# KiCad board SidecarXE85-keyboard.kicad_pcb
title: Sidecar XE85 Keyboard; date: 2023-04-23; rev: Rev. 2; company: Decent Consulting
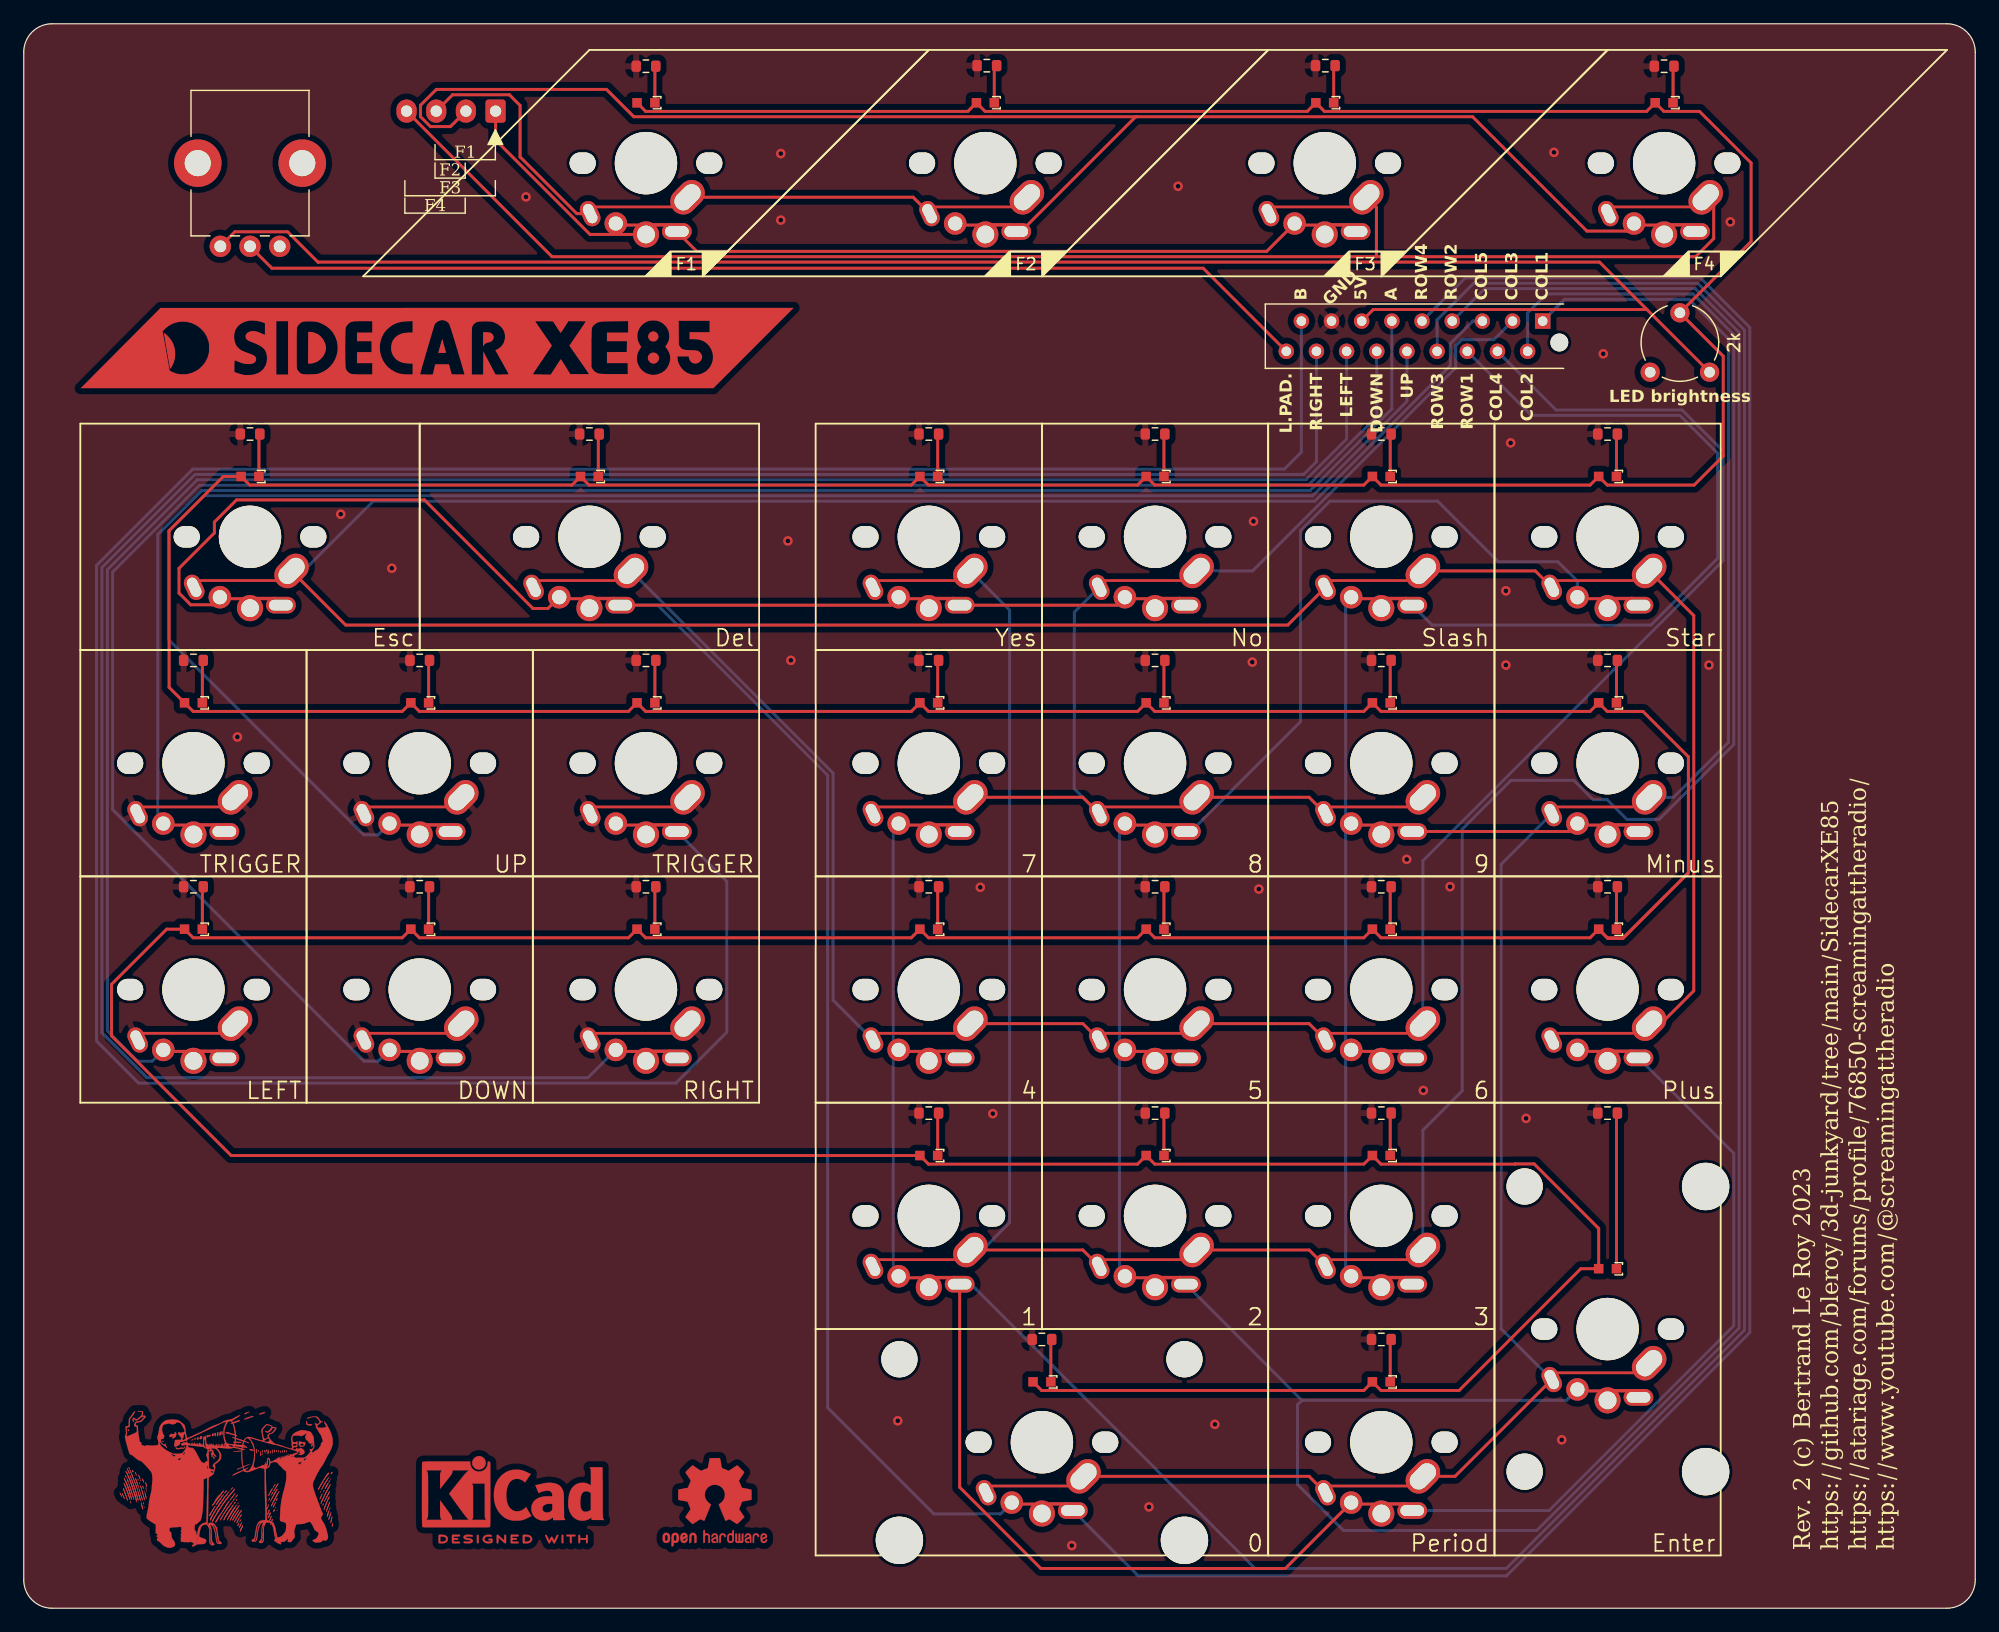
[diagram p0: board, top side]
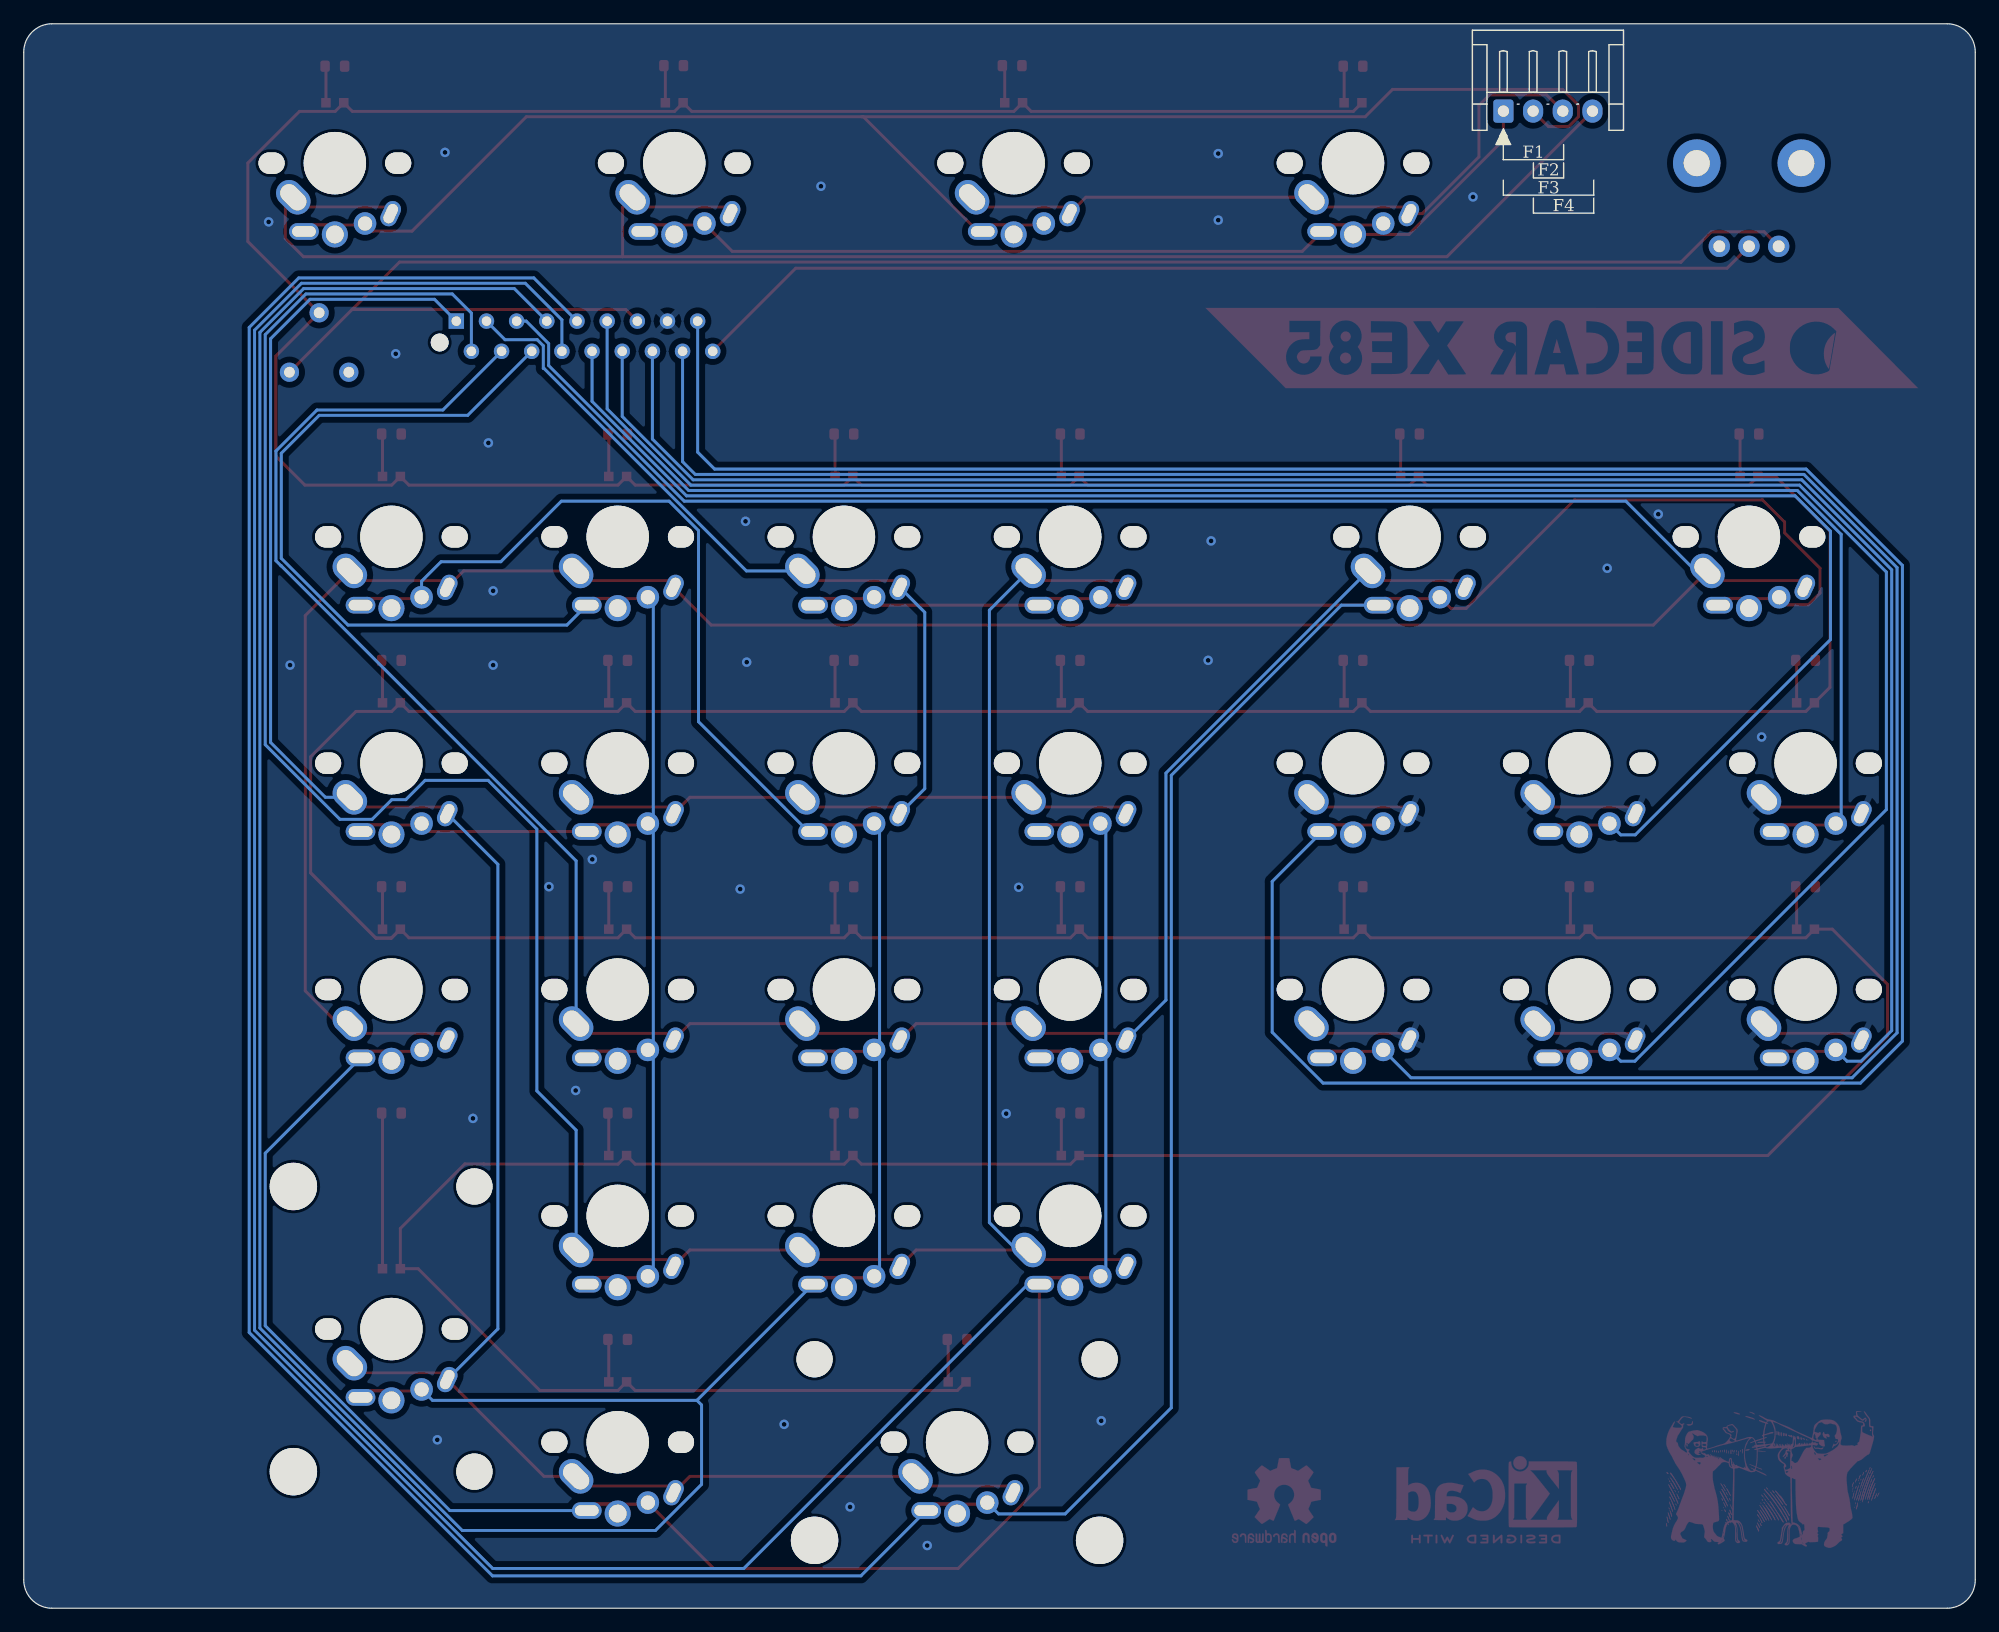
[diagram p1: board, bottom side, seen from below]

Outline 164.31 x 133.35 mm; copper layers: Top, Bottom. Coordinates in mm from the lower left corner of the outline.
Outline path: 0,130.97 arc(0.7,132.65) 2.38,133.35 161.93,133.35 arc(163.61,132.65) 164.31,130.97 164.31,2.38 arc(163.61,0.7) 161.93,0 2.38,0 arc(0.7,0.7) 0,2.38 0,130.97

## Placement (name value [footprint] x y rotation side)
G***  LOGO  [ScreamingAtTheRadio]  17.19 11.93 0 top
G***#2  -  [LOGO]  34.79 106.08 0 top
J2  Conn_02x09_Odd_Even  [TE_Micro-MaTch_1-215079-8_2x09_P1.27mm_Vertical]  127.89 108.33 270 top
J3  Conn_01x04  [JST_EH_S4B-EH_1x04_P2.50mm_Horizontal]  39.73 126 180 bottom
R1  100  [R_0603_1608Metric]  133.35 79.77 180 top
R2  100  [R_0603_1608Metric]  133.35 41.67 180 top
R3  100  [R_0603_1608Metric]  114.3 22.62 180 top
R4  100  [R_0603_1608Metric]  85.72 22.62 180 top
R5  100  [R_0603_1608Metric]  52.39 129.78 180 top
R6  100  [R_0603_1608Metric]  81.09 129.83 180 top
R7  100  [R_0603_1608Metric]  14.29 79.77 180 top
R8  100  [R_0603_1608Metric]  114.3 41.67 180 top
R9  100  [R_0603_1608Metric]  95.25 41.67 180 top
R10  100  [R_0603_1608Metric]  76.2 41.67 180 top
R11  100  [R_0603_1608Metric]  76.2 98.82 180 top
R12  100  [R_0603_1608Metric]  109.59 129.83 180 top
R13  100  [R_0603_1608Metric]  138.11 129.78 180 top
R14  100  [R_0603_1608Metric]  14.29 60.72 180 top
R15  100  [R_0603_1608Metric]  114.3 79.77 180 top
R16  100  [R_0603_1608Metric]  95.25 79.77 180 top
R17  100  [R_0603_1608Metric]  76.2 79.77 180 top
R18  100  [R_0603_1608Metric]  95.25 98.82 180 top
R19  100  [R_0603_1608Metric]  33.34 79.77 180 top
R20  100  [R_0603_1608Metric]  33.34 60.72 180 top
R21  100  [R_0603_1608Metric]  114.3 60.72 180 top
R22  100  [R_0603_1608Metric]  95.25 60.72 180 top
R23  100  [R_0603_1608Metric]  76.2 60.72 180 top
R24  100  [R_0603_1608Metric]  47.62 98.82 180 top
R25  100  [R_0603_1608Metric]  52.39 60.72 180 top
R26  100  [R_0603_1608Metric]  114.3 98.82 180 top
R27  100  [R_0603_1608Metric]  133.35 98.82 180 top
R28  100  [R_0603_1608Metric]  133.35 60.72 180 top
R29  100  [R_0603_1608Metric]  19.05 98.82 180 top
R30  100  [R_0603_1608Metric]  52.39 79.77 180 top
REF**  -  [KiCad-Logo2_6mm_Copper]  41.19 9.83 0 top
REF**#2  -  [OSHW-Logo2_9.8x8mm_Copper]  58.19 8.93 0 top
RV1  2k  [Potentiometer_Piher_PT-6-V_Vertical]  141.94 104.03 90 top
RV2  1M  [Potentiometer_Bourns_PTV09A-1_Single_Vertical]  21.55 114.62 90 top
SW1  Minus  [MX-1-00U-LED]  133.35 76.2 0 top
SW2  Enter  [MX-2-00U-VERT-LED]  133.35 28.58 0 top
SW3  Period  [MX-1-00U-LED]  114.3 19.05 0 top
SW4  0  [MX-2-00U-LED]  85.72 19.05 0 top
SW5  F1  [MX-1-50U-Atari-Fn-LED]  52.39 126.7 0 top
SW6  F3  [MX-1-50U-Atari-Fn-LED]  109.54 126.7 0 top
SW7  TRIGGER  [MX-1-00U-LED]  14.29 76.2 0 top
SW8  3  [MX-1-00U-LED]  114.3 38.1 0 top
SW9  2  [MX-1-00U-LED]  95.25 38.1 0 top
SW10  1  [MX-1-00U-LED]  76.2 38.1 0 top
SW11  Yes  [MX-1-00U-LED]  76.2 95.25 0 top
SW12  F2  [MX-1-50U-Atari-Fn-LED]  80.96 126.7 0 top
SW13  F4  [MX-1-50U-Atari-Fn-LED]  138.11 126.7 0 top
SW14  LEFT  [MX-1-00U-LED]  14.29 57.15 0 top
SW15  9  [MX-1-00U-LED]  114.3 76.2 0 top
SW16  8  [MX-1-00U-LED]  95.25 76.2 0 top
SW17  7  [MX-1-00U-LED]  76.2 76.2 0 top
SW18  No  [MX-1-00U-LED]  95.25 95.25 0 top
SW19  UP  [MX-1-00U-LED]  33.34 76.2 0 top
SW20  DOWN  [MX-1-00U-LED]  33.34 57.15 0 top
SW21  6  [MX-1-00U-LED]  114.3 57.15 0 top
SW22  5  [MX-1-00U-LED]  95.25 57.15 0 top
SW23  4  [MX-1-00U-LED]  76.2 57.15 0 top
SW24  Del  [MX-1-50U-LED]  47.62 95.25 0 top
SW25  RIGHT  [MX-1-00U-LED]  52.39 57.15 0 top
SW26  Slash  [MX-1-00U-LED]  114.3 95.25 0 top
SW27  Star  [MX-1-00U-LED]  133.35 95.25 0 top
SW28  Plus  [MX-1-00U-LED]  133.35 57.15 0 top
SW29  Esc  [MX-1-50U-LED]  19.05 95.25 0 top
SW30  TRIGGER  [MX-1-00U-LED]  52.39 76.2 0 top

## Library data of the parts
J2 = -: Description: Generic connector, double row, 02x09, odd/even pin numbering scheme (row 1 odd numbers, row 2 even numbers), script generated (kicad-library-utils/schlib/autogen/connector/)
J3 = -: Description: Generic connector, single row, 01x04, script generated (kicad-library-utils/schlib/autogen/connector/)
R1-R30 = -: Description: Resistor
RV1 RV2 = -: Description: Potentiometer
SW1-SW30 = -: Description: Single Pole Single Throw (SPST) switch with LED, generic

## Footprints (pads in the part's own frame, mm; a bottom-side part is the same pattern mirrored in y, then rotated)
JST_EH_S4B-EH_1x04_P2.50mm_Horizontal
  rrect 1.7x1.95 hole 0.95: 1(0,0)
  oval 1.7x1.95 hole 0.95: 2(2.5,0) 3(5,0) 4(7.5,0)
MX-1-00U-LED
  oval 2.2x1.8 hole 2.2x1.8 unplated: (-5.33,-5.08) (5.33,-5.08)
  round 5.25 hole 5.25 unplated: (0,-5.08)
  oval 1.4x2.2 hole 0.9x1.7 rot 25: 1(-4.7,-9.33)
  rect 6.833x0.229 smd: 1(-1.219,-8.763)
  oval 3.2x2.2 hole 2.5x1.5 rot 45: 1(3.5,-7.95)
  round 1.9 hole 1.2: 2(-2.54,-10.16)
  rect 1.312x0.254 smd: 2(-1.27,-10.287)
  round 2.2 hole 1.5: 2(0,-11.08)
  rect 1.758x0.284 smd: 2(1.26,-10.272)
  oval 2.5x1.4 hole 2x0.9: 2(2.6,-10.83)
  rect 0.8x0.8 smd: 3(0.75,0) 4(-0.75,0)
MX-1-50U-Atari-Fn-LED
  oval 2.2x1.8 hole 2.2x1.8 unplated: (-5.33,-5.08) (5.33,-5.08)
  round 5.25 hole 5.25 unplated: (0,-5.08)
  oval 1.4x2.2 hole 0.9x1.7 rot 25: 1(-4.7,-9.33)
  rect 6.833x0.229 smd: 1(-1.219,-8.763)
  oval 3.2x2.2 hole 2.5x1.5 rot 45: 1(3.5,-7.95)
  round 1.9 hole 1.2: 2(-2.54,-10.16)
  rect 1.312x0.254 smd: 2(-1.27,-10.287)
  round 2.2 hole 1.5: 2(0,-11.08)
  rect 1.758x0.284 smd: 2(1.26,-10.272)
  oval 2.5x1.4 hole 2x0.9: 2(2.6,-10.83)
  rect 0.8x0.8 smd: 3(0.75,0) 4(-0.75,0)
MX-1-50U-LED
  oval 2.2x1.8 hole 2.2x1.8 unplated: (-5.33,-5.08) (5.33,-5.08)
  round 5.25 hole 5.25 unplated: (0,-5.08)
  oval 1.4x2.2 hole 0.9x1.7 rot 25: 1(-4.7,-9.33)
  rect 6.833x0.229 smd: 1(-1.219,-8.763)
  oval 3.2x2.2 hole 2.5x1.5 rot 45: 1(3.5,-7.95)
  round 1.9 hole 1.2: 2(-2.54,-10.16)
  rect 1.312x0.254 smd: 2(-1.27,-10.287)
  round 2.2 hole 1.5: 2(0,-11.08)
  rect 1.758x0.284 smd: 2(1.26,-10.272)
  oval 2.5x1.4 hole 2x0.9: 2(2.6,-10.83)
  rect 0.8x0.8 smd: 3(0.75,0) 4(-0.75,0)
MX-2-00U-LED
  round 3.048 hole 3.048 unplated: (-12,1.905) (12,1.905)
  round 3.988 hole 3.988 unplated: (-12,-13.335) (12,-13.335)
  oval 2.2x1.8 hole 2.2x1.8 unplated: (-5.33,-5.08) (5.33,-5.08)
  round 5.25 hole 5.25 unplated: (0,-5.08)
  oval 1.4x2.2 hole 0.9x1.7 rot 25: 1(-4.7,-9.33)
  rect 6.833x0.229 smd: 1(-1.219,-8.763)
  oval 3.2x2.2 hole 2.5x1.5 rot 45: 1(3.5,-7.95)
  round 1.9 hole 1.2: 2(-2.54,-10.16)
  rect 1.312x0.254 smd: 2(-1.27,-10.287)
  round 2.2 hole 1.5: 2(0,-11.08)
  rect 1.758x0.284 smd: 2(1.26,-10.272)
  oval 2.5x1.4 hole 2x0.9: 2(2.6,-10.83)
  rect 0.8x0.8 smd: 3(0.75,0) 4(-0.75,0)
MX-2-00U-VERT-LED
  round 3.048 hole 3.048 unplated: (-6.985,6.92) (-6.985,-17.08)
  oval 2.2x1.8 hole 2.2x1.8 unplated: (-5.33,-5.08) (5.33,-5.08)
  round 5.25 hole 5.25 unplated: (0,-5.08)
  round 3.988 hole 3.988 unplated: (8.255,6.92) (8.255,-17.08)
  oval 1.4x2.2 hole 0.9x1.7 rot 25: 1(-4.7,-9.33)
  rect 6.833x0.229 smd: 1(-1.219,-8.763)
  oval 3.2x2.2 hole 2.5x1.5 rot 45: 1(3.5,-7.95)
  round 1.9 hole 1.2: 2(-2.54,-10.16)
  rect 1.312x0.254 smd: 2(-1.27,-10.287)
  round 2.2 hole 1.5: 2(0,-11.08)
  rect 1.758x0.284 smd: 2(1.26,-10.272)
  oval 2.5x1.4 hole 2x0.9: 2(2.6,-10.83)
  rect 0.8x0.8 smd: 3(0.75,0) 4(-0.75,0)
Potentiometer_Bourns_PTV09A-1_Single_Vertical
  round 4 hole 2.2 unplated: (7,6.9) (7,-1.9)
  round 1.8 hole 1: 1(0,0) 2(0,2.5) 3(0,5)
Potentiometer_Piher_PT-6-V_Vertical
  round 1.62 hole 0.9: 1(0,0) 2(5,2.5) 3(0,5)
R_0603_1608Metric
  rrect 0.8x0.95 smd: 1(-0.825,0) 2(0.825,0)
TE_Micro-MaTch_1-215079-8_2x09_P1.27mm_Vertical
  round 1.5 hole 1.5 unplated: (1.8,1.4)
  rect 1.3x1.3 hole 0.8: 1(0,0)
  round 1.3 hole 0.8: 2(2.54,-1.27) 3(0,-2.54) 4(2.54,-3.81) 5(0,-5.08) 6(2.54,-6.35) 7(0,-7.62) 8(2.54,-8.89) 9(0,-10.16) 10(2.54,-11.43) 11(0,-12.7) 12(2.54,-13.97) 13(0,-15.24) 14(2.54,-16.51) 15(0,-17.78) 16(2.54,-19.05) 17(0,-20.32) 18(2.54,-21.59)

## Nets
5V: J2.13 RV1.1 RV2.3
GND: J2.15 R1.2 R2.2 R3.2 R4.2 R5.2 R6.2 R7.2 R8.2 R9.2 R10.2 R11.2 R12.2 R13.2 R14.2 R15.2 R16.2 R17.2 R18.2 R19.2 R20.2 R21.2 R22.2 R23.2 R24.2 R25.2 R26.2 R27.2 R28.2 R29.2 R30.2 SW7.1 SW14.1 SW19.1 SW20.1 SW25.1 SW30.1
COL1: J2.1 SW1.1 SW2.1 SW3.1 SW4.1
COL2: J2.2 SW8.1 SW9.1 SW10.1 SW11.1
COL3: J2.3 SW15.1 SW16.1 SW17.1 SW18.1
COL4: J2.4 SW21.1 SW22.1 SW23.1 SW24.1
COL5: J2.5 SW26.1 SW27.1 SW28.1 SW29.1
DOWN: J2.12 SW20.2
F_COL1: J3.3 SW5.1 SW12.1
F_COL2: J3.4 SW6.1 SW13.1
F_ROW1: J3.1 SW5.2 SW6.2
F_ROW2: J3.2 SW12.2 SW13.2
L_PAD: J2.18 RV2.2
LEFT: J2.14 SW14.2
RIGHT: J2.16 SW25.2
ROW1: J2.6 SW1.2 SW8.2 SW15.2 SW21.2 SW26.2
ROW2: J2.7 SW2.2 SW9.2 SW16.2 SW22.2 SW27.2
ROW3: J2.8 SW3.2 SW10.2 SW17.2 SW23.2 SW28.2
ROW4: J2.9 SW4.2 SW11.2 SW18.2 SW24.2 SW29.2
TRIGGER_A: J2.11 SW7.2
TRIGGER_B: J2.17 SW30.2
UP: J2.10 SW19.2
VA: RV1.2 SW1.4 SW2.4 SW3.4 SW4.4 SW5.4 SW6.4 SW7.4 SW8.4 SW9.4 SW10.4 SW11.4 SW12.4 SW13.4 SW14.4 SW15.4 SW16.4 SW17.4 SW18.4 SW19.4 SW20.4 SW21.4 SW22.4 SW23.4 SW24.4 SW25.4 SW26.4 SW27.4 SW28.4 SW29.4 SW30.4
Net-(SW1-K): R1.1 SW1.3
Net-(SW2-K): R2.1 SW2.3
Net-(SW3-K): R3.1 SW3.3
Net-(SW4-K): R4.1 SW4.3
Net-(SW5-K): R5.1 SW5.3
Net-(SW6-K): R12.1 SW6.3
Net-(SW7-K): R7.1 SW7.3
Net-(SW8-K): R8.1 SW8.3
Net-(SW9-K): R9.1 SW9.3
Net-(SW10-K): R10.1 SW10.3
Net-(SW11-K): R11.1 SW11.3
Net-(SW12-K): R6.1 SW12.3
Net-(SW13-K): R13.1 SW13.3
Net-(SW14-K): R14.1 SW14.3
Net-(SW15-K): R15.1 SW15.3
Net-(SW16-K): R16.1 SW16.3
Net-(SW17-K): R17.1 SW17.3
Net-(SW18-K): R18.1 SW18.3
Net-(SW19-K): R19.1 SW19.3
Net-(SW20-K): R20.1 SW20.3
Net-(SW21-K): R21.1 SW21.3
Net-(SW22-K): R22.1 SW22.3
Net-(SW23-K): R23.1 SW23.3
Net-(SW24-K): R24.1 SW24.3
Net-(SW25-K): R25.1 SW25.3
Net-(SW26-K): R26.1 SW26.3
Net-(SW27-K): R27.1 SW27.3
Net-(SW28-K): R28.1 SW28.3
Net-(SW29-K): R29.1 SW29.3
Net-(SW30-K): R30.1 SW30.3

Pads without a net: RV1 3; RV2 1

## Via types
v1: diameter 0.8, hole 0.4, Top to Bottom, 30 vias

## Routing (per net, layer and track width the routed paths; a pad name or vN(x,y) marks a point on that pad's centre or on a via; arc(x,y) is an arc through that point)
5V: length 155.2
  Top w0.25: 136.66,109.3 132.67,113.3 24.81,113.3 24.79,113.28 22.22,115.85 17.77,115.85 RV2.3 ; 136.66,109.3 113.62,109.3 J2.13 ; 136.66,109.3 RV1.1
GND:
  vias: v1(17.99,73.33) v1(26.69,92.08) v1(30.99,87.53) v1(42.29,118.78) v1(63.74,122.43) v1(63.74,116.83) v1(64.34,89.83) v1(64.59,79.78) v1(73.59,15.78) v1(80.54,60.68) v1(81.59,41.63) v1(88.24,5.28) v1(94.74,8.53) v1(97.19,119.68) v1(100.29,15.48) v1(103.44,79.63) v1(103.54,91.48) v1(103.99,60.53) v1(116.44,63.03) v1(117.84,43.58) v1(120.09,60.73) v1(124.79,85.63) v1(124.79,79.38) v1(125.19,98.08) v1(126.49,41.23) v1(128.84,122.53) v1(129.49,14.18) v1(132.99,105.58) v1(141.89,79.38) v1(143.69,116.68)
COL1: length 146.7
  Top w0.25: SW3.1 108.22,11.1 SW4.1 ; SW3.1 120.5,11.1 SW2.1
  Bottom w0.25: SW2.1 124.39,23.51 124.39,62.61 128.65,66.87 ; SW1.1 138.91,68.25 143.52,72.87 143.52,106.84 140.2,110.16 129.72,110.16 J2.1
COL2: length 204.8
  Top w0.25: SW9.1 108.22,30.15 SW8.1 ; SW9.1 89.17,30.15 SW10.1
  Bottom w0.25: SW11.1 83,84 83,32.46 80.7,30.15 ; SW8.1 117.8,40.24 121.1,43.54 121.1,65.57 125.21,69.68 130.51,69.68 132.14,68.05 133.32,68.05 134.98,66.4 137.69,66.4 143.97,72.68 143.97,107.19 140.55,110.61 128.22,110.61 126.62,109.01 J2.2
COL3: length 80.1
  Top w0.25: 109.6,66.87 108.22,68.25 SW16.1 ; SW17.1 89.17,68.25 90.55,66.87
  Bottom w0.25: J2.3 123.78,106.76 121.07,106.76 120.56,106.25 120.56,104.35 120.51,104.35 103.46,87.3 SW18.1 ; SW18.1 88.44,83.82 88.44,68.98 90.55,66.87
COL4: length 151.9
  Top w0.25: 79.7,49.2 89.17,49.2 SW22.1 ; SW21.1 108.22,49.2 98.75,49.2
  Bottom w0.25: SW24.1 68.14,70.29 68.14,51.18 SW23.1 ; J2.4 129.02,100.85 139.62,100.85 143.07,97.39 143.07,88.16 142.64,87.73 142.62,87.73 117.8,62.9 117.8,49.2
COL5: length 251.5
  Top w0.25: SW26.1 127.27,87.3 SW27.1 ; 137.85,49.2 140.6,51.96 140.6,83.55 SW27.1 ; SW26.1 106.43,82.75 27.1,82.75 SW29.1
  Bottom w0.25: J2.5 122,108.33 120.11,106.44 120.11,104.59 108.69,93.17 29.42,93.17 23.55,87.3
DOWN: length 169.8
  Bottom w0.25: SW20.2 29.85,46.04 28.66,46.04 7.48,67.21 7.48,87.21 14.79,94.52 108.13,94.52 113.92,100.3 J2.12
F_COL1: length 41.2
  Top w0.25: SW12.1 74.88,118.75 SW5.1 ; J3.3 36.1,127.38 40.89,127.38 41.79,126.48 41.79,122.15 46.56,117.37 SW5.1
F_COL2: length 123.9
  Top w0.25: 113.89,113.75 44.48,113.75 J3.4 ; 113.89,113.75 140.76,113.75 142.29,115.28 142.29,118.08 ; 113.89,113.75 113.89,117.9 SW6.1
F_ROW1: length 72.1
  Top w0.25: SW5.2 56.66,114.2 104.65,114.2 107,116.54 ; SW5.2 47.68,115.62 39.73,123.57 J3.1
F_ROW2: length 127.4
  Top w0.25: 93.74,125.53 121.99,125.53 131.61,115.9 134.93,115.9 135.57,116.54 ; 93.74,125.53 93.62,125.53 83.96,115.87 ; 93.74,125.53 51.36,125.53 49.06,127.83 34.74,127.83 33.4,126.49 33.4,125.54 34.24,124.7 35.93,124.7 J3.2
L_PAD: length 90.9
  Top w0.25: J2.18 99.31,112.78 20.9,112.78 RV2.2
LEFT: length 161.2
  Bottom w0.25: J2.14 111.38,98.4 107.95,94.97 14.61,94.97 7.03,87.39 7.03,48.61 9.61,46.04 10.8,46.04 SW14.2
RIGHT: length 200.2
  Bottom w0.25: J2.16 108.84,96.5 107.76,95.42 14.42,95.42 6.58,87.58 6.58,48.43 10.37,44.65 47.5,44.65 SW25.2
ROW1: length 130.8
  Top w0.25: 116.9,65.37 130.14,65.37 SW1.2
  Bottom w0.25: 111.3,46.53 111.3,28.4 ; 111.3,84.63 111.3,66.5 ; J2.6 126.93,100.4 139.43,100.4 142.62,97.2 142.62,88.36 137.01,82.75 118.57,82.75 SW26.2 ; 111.3,65.58 111.3,47.45
ROW2: length 295
  Bottom w0.25: 107.62,17.5 129.89,17.5 SW2.2 ; 107.62,17.5 SW9.2 ; 107.62,17.5 107.24,17.11 107.24,10.43 111.12,6.55 127.39,6.55 144.42,23.58 144.42,107.37 140.74,111.06 123,111.06 J2.7 ; 98.25,65.37 107.5,74.62 107.5,90.7 109.97,93.17 119.04,93.17 124.14,88.08 129.17,88.08 130.81,86.43 SW27.2 ; 92.25,46.53 92.25,28.4 ; 92.25,65.58 92.25,47.45
ROW3: length 349.8
  Top w0.25: SW3.2 106.22,3.35 85.64,3.35 78.8,10.18 SW10.2
  Bottom w0.25: SW28.2 143.97,38.3 143.97,23.77 128.42,8.22 SW3.2 ; 73.2,65.58 73.2,47.45 ; 73.2,46.53 73.2,28.4 ; 79.76,27.27 103.68,3.35 124.82,3.35 144.87,23.4 144.87,107.56 140.93,111.51 122.07,111.51 119,108.43 J2.8
ROW4: length 362.6
  Top w0.25: SW18.2 92.04,84.42 SW11.2 ; SW24.2 72.99,84.42 SW11.2 ; SW29.2 15.87,84.45 14.06,84.45 13.07,85.44 13.07,87.52 16.05,90.5 16.05,91.41 17.91,93.28 33.74,93.28 42.87,84.14 44.14,84.14 SW24.2
  Bottom w0.25: SW24.2 53.37,84.42 67.69,70.1 67.69,16.88 76.62,7.94 82.24,7.94 SW4.2 ; SW4.2 93.82,2.73 124.84,2.73 145.32,23.21 145.32,107.79 141.15,111.96 121.36,111.96 J2.9
TRIGGER_A: length 139.5
  Bottom w0.25: J2.11 115.19,100.94 108.32,94.07 14.98,94.07 11.29,90.38 11.29,66.5
TRIGGER_B: length 231.4
  Bottom w0.25: J2.17 107.57,97.3 106.14,95.87 14.23,95.87 6.13,87.77 6.13,47.73 9.67,44.2 54.91,44.2 59.19,48.48 59.19,61.17 54.99,65.37
UP: length 147.9
  Bottom w0.25: SW19.2 29.85,65.09 28.62,65.09 12.19,81.53 12.19,90.64 15.17,93.62 108.51,93.62 116.46,101.57 J2.10
VA: length 765
  Top w0.25: 140.16,61.89 134.64,56.38 133.38,56.38 SW28.4 ; 140.16,61.89 134.69,56.43 133.32,56.43 SW28.4 ; 140.16,61.89 140.16,71.66 136.34,75.48 133.32,75.48 SW1.4 131.88,75.48 114.28,75.48 SW15.4 112.82,75.48 95.22,75.48 SW16.4 93.78,75.48 76.17,75.48 SW17.4 74.72,75.48 52.36,75.48 SW30.4 50.91,75.48 33.31,75.48 SW19.4 31.86,75.48 14.26,75.48 SW7.4 12.24,77.5 12.24,90.69 16.8,95.25 SW29.4 19.02,94.53 46.15,94.53 SW24.4 47.6,94.53 74.72,94.53 SW11.4 76.17,94.53 93.78,94.53 SW18.4 95.22,94.53 112.82,94.53 SW26.4 114.28,94.53 131.88,94.53 SW27.4 133.32,94.53 140.64,94.53 143.09,96.98 143.09,105.38 RV1.2 145.44,115.03 145.44,121.63 141.09,125.98 138.09,125.98 SW13.4 136.64,125.98 109.51,125.98 SW6.4 108.06,125.98 80.94,125.98 SW12.4 79.49,125.98 52.36,125.98 SW5.4 ; SW28.4 131.88,56.43 114.28,56.43 SW21.4 112.82,56.43 95.22,56.43 SW22.4 93.78,56.43 76.17,56.43 SW23.4 74.72,56.43 52.36,56.43 SW25.4 50.91,56.43 33.31,56.43 SW20.4 31.86,56.43 14.26,56.43 SW14.4 12.03,57.15 7.39,52.5 7.39,48.18 17.46,38.1 SW10.4 76.17,37.38 93.78,37.38 SW9.4 95.22,37.38 112.82,37.38 SW8.4 114.28,37.38 125.56,37.38 125.58,37.39 127.17,37.39 132.6,31.96 SW2.4 131.1,28.58 120.85,18.33 114.28,18.33 SW3.4 112.82,18.33 85.7,18.33 SW4.4
Net-(SW1-K): length 3.5
  Top w0.25: 134.1,79.7 SW1.3
Net-(SW2-K): length 13
  Top w0.25: 134.1,41.6 SW2.3
Net-(SW3-K): length 3.5
  Top w0.25: 115.05,22.55 SW3.3
Net-(SW4-K): length 3.5
  Top w0.25: 86.47,22.55 SW4.3
Net-(SW5-K): length 3
  Top w0.25: 53.14,129.7 SW5.3
Net-(SW6-K): length 3
  Top w0.25: 110.29,129.7 SW6.3
Net-(SW7-K): length 3.5
  Top w0.25: 15.04,79.7 SW7.3
Net-(SW8-K): length 3.5
  Top w0.25: 115.05,41.6 SW8.3
Net-(SW9-K): length 3.5
  Top w0.25: 96,41.6 SW9.3
Net-(SW10-K): length 3.5
  Top w0.25: 76.95,41.6 SW10.3
Net-(SW11-K): length 3.5
  Top w0.25: 76.95,98.75 SW11.3
Net-(SW12-K): length 2.9
  Top w0.25: 81.71,129.62 SW12.3
Net-(SW13-K): length 3
  Top w0.25: 138.86,129.7 SW13.3
Net-(SW14-K): length 3.5
  Top w0.25: 15.04,60.65 SW14.3
Net-(SW15-K): length 3.5
  Top w0.25: 115.05,79.7 SW15.3
Net-(SW16-K): length 3.5
  Top w0.25: 96,79.7 SW16.3
Net-(SW17-K): length 3.5
  Top w0.25: 76.95,79.7 SW17.3
Net-(SW18-K): length 3.5
  Top w0.25: 96,98.75 SW18.3
Net-(SW19-K): length 3.5
  Top w0.25: 34.09,79.7 SW19.3
Net-(SW20-K): length 3.5
  Top w0.25: 34.09,60.65 SW20.3
Net-(SW21-K): length 3.5
  Top w0.25: 115.05,60.65 SW21.3
Net-(SW22-K): length 3.5
  Top w0.25: 96,60.65 SW22.3
Net-(SW23-K): length 3.5
  Top w0.25: 76.95,60.65 SW23.3
Net-(SW24-K): length 3.5
  Top w0.25: 48.38,98.75 SW24.3
Net-(SW25-K): length 3.5
  Top w0.25: 53.14,60.65 SW25.3
Net-(SW26-K): length 3.5
  Top w0.25: 115.05,98.75 SW26.3
Net-(SW27-K): length 3.5
  Top w0.25: 134.1,98.75 SW27.3
Net-(SW28-K): length 3.5
  Top w0.25: 134.1,60.65 SW28.3
Net-(SW29-K): length 3.5
  Top w0.25: 19.8,98.75 SW29.3
Net-(SW30-K): length 3.5
  Top w0.25: 53.14,79.7 SW30.3

## Copper pours and planes (outline as drawn; the poured copper is in the pictures)
GND on Top, Bottom: 166.69,-2.38 -2.38,-2.38 -2.38,135.73 166.69,135.73

## Text on the board
B.Silkscreen: F4 | F2 | F3 | F1
F.Silkscreen: F4 | F2 | F3 | F1 | LED brightness | GND | B | 5V | A | ROW4 | ROW2 | COL5 | COL3 | COL1 | L.PAD. | RIGHT | LEFT | DOWN | UP | ROW3 | ROW1 | COL4 | COL2 | Rev. 2 (c) Bertrand Le Roy 2023 / https://github.com/bleroy/3d-junkyard/tree/main/SidecarXE85 / https://atariage.com/forums/profile/76850-screamingattheradio/ / https://www.youtube.com/@screamingattheradio
